# Altium PCB InsaneKeyboard.PcbDoc (part 2 of 4) (continued)
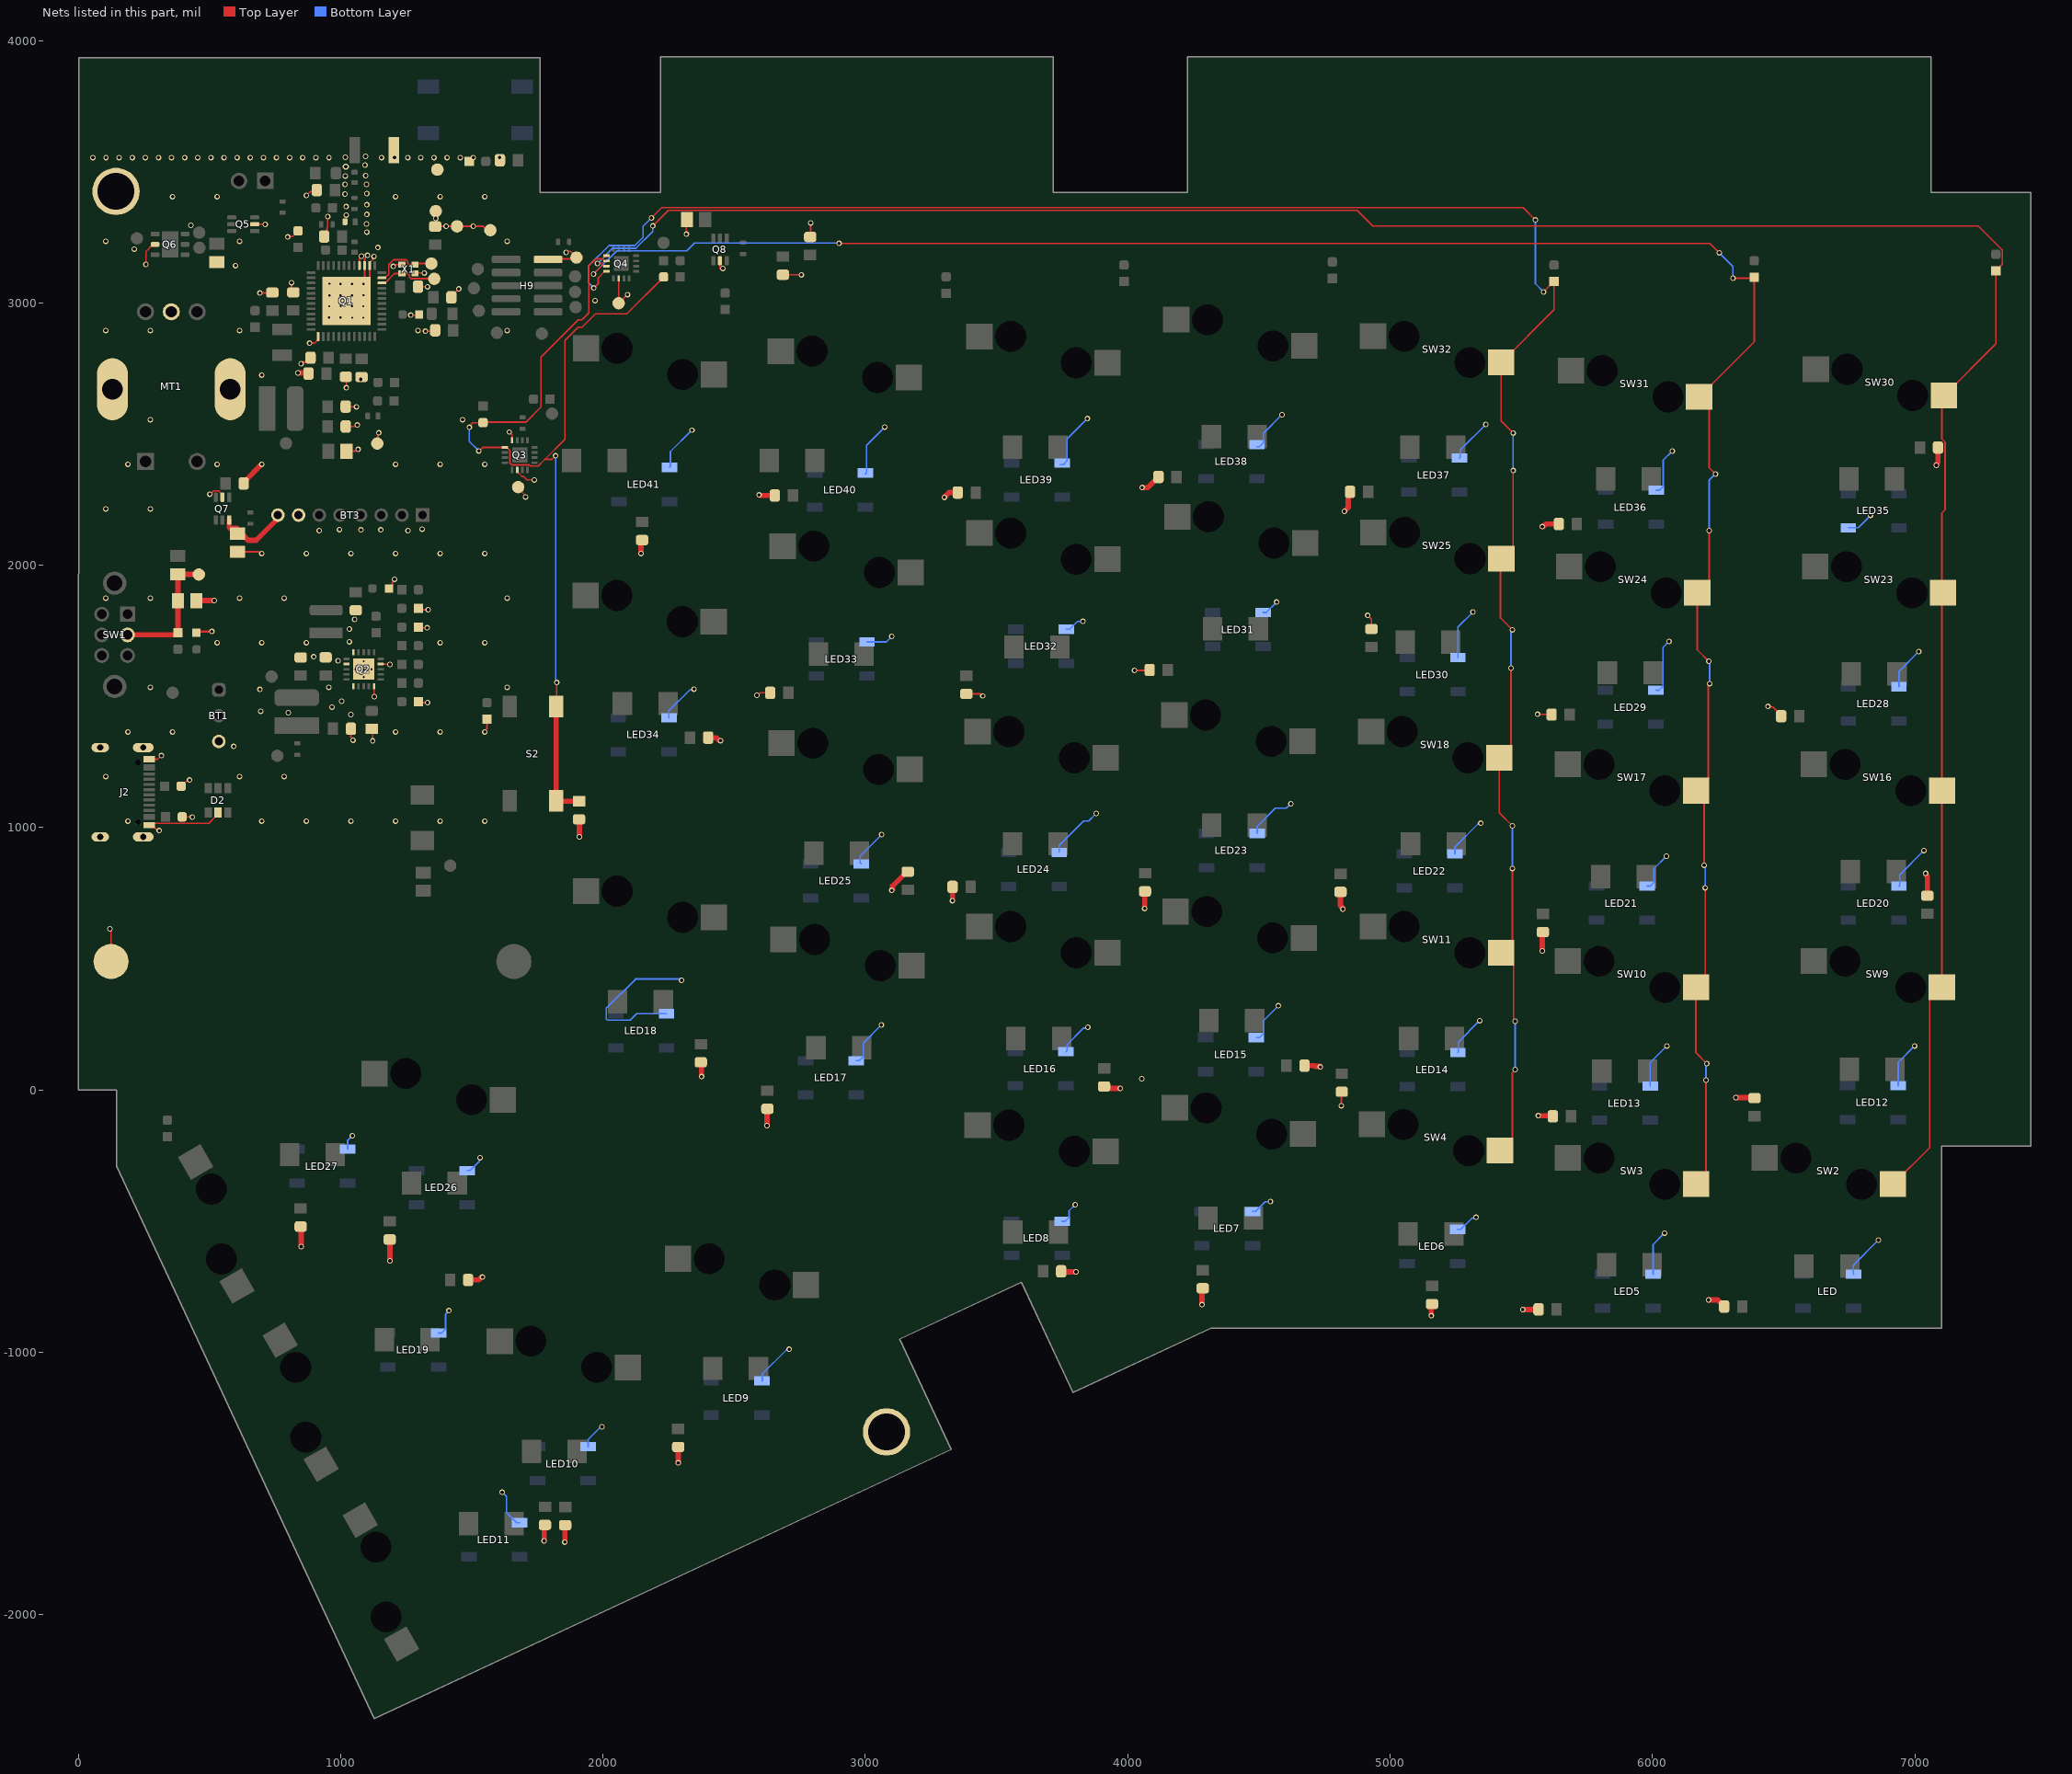
[diagram p4: the nets of this part, all layers, seen from the top]
## Part data (continued)
R12: "Fixed Resistor, Metal Glaze/thick Film, 0.1W, 1240000ohm, 75V, 1% +/-Tol, 100ppm/Cel, Surface Mount, 0603", Case/Package=0603, Manufacturer=Yageo, Manufacturer Part Number=RC0603FR-071M24L, Max Operating Temperature=155°C, Min Operating Temperature=-55°C, Package Height=0.45mm, Package Length=1.6mm, Package Shape=Rectangular, Package Style=SMTMeter, Package Width=0.8mm, Power=100mW, Rated Temperature=70°C, Resistor Type="FIXED RESISTOR", Supplier Part Number=13-RC0603FR-071M24LCT-ND, Temperature Coefficient=100ppm/°C, Tolerance=1%, Working Voltage=75V, Additional Feature="LASER TRIMMABLE", Category="Chip SMD Resistors", ComponentLink1Description=https://datasheet.ciiva.com:443/pdfs/VipMasterIC/IC/YAGO/YAGO-S-A0008145938/YAGO-S-A0008145938-1.pdf?src-supplier=IHS+Markit, ComponentLink1URL=https://datasheet.ciiva.com:443/pdfs/VipMasterIC/IC/YAGO/YAGO-S-A0008145938/YAGO-S-A0008145938-1.pdf?src-supplier=IHS+Markit, ComponentLink2Description=http://www.mouser.com/ds/2/447/RC0603-272842.pdf?src-supplier=Mouser, ComponentLink2URL=http://www.mouser.com/ds/2/447/RC0603-272842.pdf?src-supplier=Mouser, ComponentLink3Description=http://www.yageo.com/documents/recent/PYu-RC_Group_51_RoHS_L_2.pdf?src-supplier=Avnet, ComponentLink3URL=http://www.yageo.com/documents/recent/PYu-RC_Group_51_RoHS_L_2.pdf?src-supplier=Avnet, ComponentLink4Description=http://www.yageo.com.tw/exep/pages/download/literatures/PYu-R_INT-thick_7.pdf?src-supplier=Digikey, ComponentLink4URL=http://www.yageo.com.tw/exep/pages/download/literatures/PYu-R_INT-thick_7.pdf?src-supplier=Digikey, ComponentLink5Description=https://datasheet.octopart.com/RC0603FR-071M24L-Yageo-datasheet-164759695.pdf?src-supplier=Future+Electronics, ComponentLink5URL=https://datasheet.octopart.com/RC0603FR-071M24L-Yageo-datasheet-164759695.pdf?src-supplier=Future+Electronics, Construction=Chip, JESD-609 Code=e3, Mounting Technology="Surface Mount", Packaging="Tape and Reel", Pins=2, Pricing="1=0.1, 10=0.019, 50=0.0112, 100=0.0093, 500=0.00622, 1000=0.00532 (USD)", Reach SVHC Compliant=Yes, RoHS=Yes, RoHS Compliant=Yes, Stock=7097, Supplier=Digikey, Technology="METAL GLAZE/THICK FILM", Terminal Finish=Nickel, Termination=Wraparound
R14: "Fixed Resistor, Metal Glaze/thick Film, 0.1W, 6650000ohm, 75V, 1% +/-Tol, 100ppm/Cel, Surface Mount, 0603", Case/Package=0603, Manufacturer=Vishay, Manufacturer Part Number=CRCW06036M65FKEA, Max Operating Temperature=155°C, Min Operating Temperature=-55°C, Package Height=0.45mm, Package Length=1.55mm, Package Shape=Rectangular, Package Style=SMTMeter, Package Width=0.85mm, Power=100mW, Rated Temperature=70°C, Resistor Type="FIXED RESISTOR", Supplier Part Number=541-6.65MHCT-ND, Temperature Coefficient=100ppm/°C, Tolerance=1%, Working Voltage=75V, Category="Chip SMD Resistors", ComponentLink1Description=https://datasheet.ciiva.com:443/pdfs/VipMasterIC/IC/VISH/VISH-S-A0007266705/VISH-S-A0007266705-1.pdf?src-supplier=IHS+Markit, ComponentLink1URL=https://datasheet.ciiva.com:443/pdfs/VipMasterIC/IC/VISH/VISH-S-A0007266705/VISH-S-A0007266705-1.pdf?src-supplier=IHS+Markit, ComponentLink2Description=https://datasheet.ciiva.com/2494/dcrcwe3-2494684.pdf?src-supplier=Digikey, ComponentLink2URL=https://datasheet.ciiva.com/2494/dcrcwe3-2494684.pdf?src-supplier=Digikey, ComponentLink3Description=https://datasheet.ciiva.com/2494/dcrcwe3-2494685.pdf?src-supplier=Digikey, ComponentLink3URL=https://datasheet.ciiva.com/2494/dcrcwe3-2494685.pdf?src-supplier=Digikey, ComponentLink4Description=https://datasheet.ciiva.com/2494/dcrcwe3-2494686.pdf?src-supplier=Digikey, ComponentLink4URL=https://datasheet.ciiva.com/2494/dcrcwe3-2494686.pdf?src-supplier=Digikey, ComponentLink5Description=https://datasheet.ciiva.com/9061/dcrcwe3-9061657.pdf?src-supplier=Avnet, ComponentLink5URL=https://datasheet.ciiva.com/9061/dcrcwe3-9061657.pdf?src-supplier=Avnet, ComponentLink6Description=https://datasheet.ciiva.com/7748/1697337-7748695.pdf?src-supplier=Element14, ComponentLink6URL=https://datasheet.ciiva.com/7748/1697337-7748695.pdf?src-supplier=Element14, ComponentLink7Description=https://datasheet.ciiva.com/7748/1697337-7748696.pdf?src-supplier=Element14, ComponentLink7URL=https://datasheet.ciiva.com/7748/1697337-7748696.pdf?src-supplier=Element14, Construction=Chip, JESD-609 Code=e3, Mounting Technology="Surface Mount", Packaging="Tape and Reel", Pins=2, Pricing="1=0.1, 10=0.026, 50=0.0166, 100=0.014, 500=0.00954, 1000=0.00824 (USD)", Reach SVHC Compliant=Yes, Reference Standard=AEC-Q200, RoHS=Yes, RoHS Compliant=Yes, Stock=29933, Supplier=Digikey, Technology="METAL GLAZE/THICK FILM", Terminal Finish=Nickel, Termination=Wraparound
R15: "Fixed Resistor, Metal Glaze/thick Film, 0.1W, 5620000ohm, 75V, 1% +/-Tol, 100ppm/Cel, Surface Mount, 0603", Case/Package=0603, Manufacturer=Yageo, Manufacturer Part Number=RC0603JR-075M6L, Max Operating Temperature=155°C, Min Operating Temperature=-55°C, Package Height=0.45mm, Package Length=1.6mm, Package Shape=Rectangular, Package Style=SMTMeter, Package Width=0.8mm, Power=100mW, Rated Temperature=70°C, Resistor Type="FIXED RESISTOR", Supplier Part Number=311-5.6MGRCT-ND, Temperature Coefficient=100ppm/°C, Tolerance=5%, Working Voltage=75V, Additional Feature="LASER TRIMMABLE", Category="Chip SMD Resistors", ComponentLink1Description=https://datasheet.ciiva.com:443/pdfs/VipMasterIC/IC/YAGO/YAGO-S-A0008145938/YAGO-S-A0008145938-1.pdf?src-supplier=IHS+Markit, ComponentLink1URL=https://datasheet.ciiva.com:443/pdfs/VipMasterIC/IC/YAGO/YAGO-S-A0008145938/YAGO-S-A0008145938-1.pdf?src-supplier=IHS+Markit, ComponentLink2Description=https://datasheet.ciiva.com/2453/pyu-r-int-thick-7-2453118.pdf?src-supplier=Digikey, ComponentLink2URL=https://datasheet.ciiva.com/2453/pyu-r-int-thick-7-2453118.pdf?src-supplier=Digikey, ComponentLink3Description=https://datasheet.ciiva.com/2453/pyu-r-int-thick-7-2453119.pdf?src-supplier=Digikey, ComponentLink3URL=https://datasheet.ciiva.com/2453/pyu-r-int-thick-7-2453119.pdf?src-supplier=Digikey, ComponentLink4Description=https://datasheet.ciiva.com/2453/pyu-r-int-thick-7-2453120.pdf?src-supplier=Digikey, ComponentLink4URL=https://datasheet.ciiva.com/2453/pyu-r-int-thick-7-2453120.pdf?src-supplier=Digikey, ComponentLink5Description=http://www.mouser.com/ds/2/447/RC0603-272842.pdf?src-supplier=Mouser, ComponentLink5URL=http://www.mouser.com/ds/2/447/RC0603-272842.pdf?src-supplier=Mouser, ComponentLink6Description=http://www.yageo.com/documents/recent/PYu-RC_Group_51_RoHS_L_2.pdf?src-supplier=Avnet, ComponentLink6URL=http://www.yageo.com/documents/recent/PYu-RC_Group_51_RoHS_L_2.pdf?src-supplier=Avnet, ComponentLink7Description=http://www.yageo.com.tw/exep/pages/download/literatures/PYu-R_INT-thick_7.pdf?src-supplier=Digikey, ComponentLink7URL=http://www.yageo.com.tw/exep/pages/download/literatures/PYu-R_INT-thick_7.pdf?src-supplier=Digikey, Construction=Chip, JESD-609 Code=e3, Mounting Technology="Surface Mount", Packaging="Tape and Reel", Pins=2, Pricing="1=0.1, 10=0.015, 50=0.0092, 100=0.0076, 500=0.00512, 1000=0.00437 (USD)", Reach SVHC Compliant=Yes, RoHS=Yes, RoHS Compliant=Yes, Stock=110556, Supplier=Digikey, Technology="METAL GLAZE/THICK FILM", Terminal Finish=Nickel, Termination=Wraparound
R16 R19 R20 R21 R22 R23 R24 R25 R26 R30 R31 R32 R33 R34 R35 R36: "Fixed Resistor, Metal Glaze/thick Film, 0.1W, 10000ohm, 75V, 1% +/-Tol, 100ppm/Cel, Surface Mount, 0603", Case/Package=0603, Manufacturer=Yageo, Manufacturer Part Number=RC0603FR-0710KL, Max Operating Temperature=155°C, Min Operating Temperature=-55°C, Package Height=0.45mm, Package Length=1.6mm, Package Shape=Rectangular, Package Style=SMTMeter, Package Width=0.8mm, Power=100mW, Rated Temperature=70°C, Resistor Type="FIXED RESISTOR", Supplier Part Number=311-10.0KHRCT-ND, Temperature Coefficient=100ppm/°C, Tolerance=1%, Working Voltage=75V, Additional Feature="LASER TRIMMABLE", Category="Chip SMD Resistors", ComponentLink1Description=https://datasheet.ciiva.com:443/pdfs/VipMasterIC/IC/YAGO/YAGO-S-A0008145938/YAGO-S-A0008145938-1.pdf?src-supplier=IHS+Markit, ComponentLink1URL=https://datasheet.ciiva.com:443/pdfs/VipMasterIC/IC/YAGO/YAGO-S-A0008145938/YAGO-S-A0008145938-1.pdf?src-supplier=IHS+Markit, ComponentLink2Description=http://www.farnell.com/datasheets/2167052.pdf?src-supplier=Farnell, ComponentLink2URL=http://www.farnell.com/datasheets/2167052.pdf?src-supplier=Farnell, ComponentLink3Description=http://www.farnell.com/datasheets/1868787.pdf?src-supplier=Farnell, ComponentLink3URL=http://www.farnell.com/datasheets/1868787.pdf?src-supplier=Farnell, ComponentLink4Description=http://www.farnell.com/datasheets/443971.pdf?src-supplier=Farnell, ComponentLink4URL=http://www.farnell.com/datasheets/443971.pdf?src-supplier=Farnell, ComponentLink5Description=http://www.yageo.com/documents/recent/PYu-RC_Group_51_RoHS_L_10.pdf?src-supplier=Digikey, ComponentLink5URL=http://www.yageo.com/documents/recent/PYu-RC_Group_51_RoHS_L_10.pdf?src-supplier=Digikey, ComponentLink6Description=http://www.yageo.com/documents/recent/PYu-RC_Group_51_RoHS_L_9.pdf?src-supplier=Component+Sense, ComponentLink6URL=http://www.yageo.com/documents/recent/PYu-RC_Group_51_RoHS_L_9.pdf?src-supplier=Component+Sense, Construction=Chip, JESD-609 Code=e3, Mounting Technology="Surface Mount", Packaging="Tape and Reel", Pins=2, Pricing="1=0.1, 10=0.019, 50=0.0112, 100=0.0093, 500=0.00622, 1000=0.00532, 5000=0.00382, 10000=0.00335, 25000=0.00287, 35000=0.00278, 50000=0.00257, 125000=0.00232 (USD)", Reach SVHC Compliant=Yes, RoHS=Yes, RoHS Compliant=Yes, Stock=6878448, Supplier=Digikey, Technology="METAL GLAZE/THICK FILM", Terminal Finish=Nickel, Termination=Wraparound
R17: "Fixed Resistor, Metal Glaze/thick Film, 0.1W, 4990000ohm, 75V, 1% +/-Tol, 100ppm/Cel, Surface Mount, 0603", Case/Package=0603, Manufacturer=Yageo, Manufacturer Part Number=RC0603FR-074M99L, Max Operating Temperature=155°C, Min Operating Temperature=-55°C, Package Height=0.45mm, Package Length=1.6mm, Package Shape=Rectangular, Package Style=SMTMeter, Package Width=0.8mm, Power=100mW, Rated Temperature=70°C, Resistor Type="FIXED RESISTOR", Supplier Part Number=13-RC0603FR-074M99LDKR-ND, Temperature Coefficient=100ppm/°C, Tolerance=1%, Working Voltage=75V, Additional Feature="LASER TRIMMABLE", Category="Chip SMD Resistors", ComponentLink1Description=https://datasheet.ciiva.com:443/pdfs/VipMasterIC/IC/YAGO/YAGO-S-A0008145938/YAGO-S-A0008145938-1.pdf?src-supplier=IHS+Markit, ComponentLink1URL=https://datasheet.ciiva.com:443/pdfs/VipMasterIC/IC/YAGO/YAGO-S-A0008145938/YAGO-S-A0008145938-1.pdf?src-supplier=IHS+Markit, ComponentLink2Description=http://www.mouser.com/ds/2/447/RC0603-272842.pdf?src-supplier=Mouser, ComponentLink2URL=http://www.mouser.com/ds/2/447/RC0603-272842.pdf?src-supplier=Mouser, ComponentLink3Description=http://www.yageo.com/documents/recent/PYu-RC_Group_51_RoHS_L_9.pdf?src-supplier=Digikey, ComponentLink3URL=http://www.yageo.com/documents/recent/PYu-RC_Group_51_RoHS_L_9.pdf?src-supplier=Digikey, ComponentLink4Description=http://www.yageo.com/documents/recent/PYu-RC0603_51_RoHS_L_7.pdf?src-supplier=Future+Electronics, ComponentLink4URL=http://www.yageo.com/documents/recent/PYu-RC0603_51_RoHS_L_7.pdf?src-supplier=Future+Electronics, ComponentLink5Description=http://www.yageo.com/documents/recent/PYu-RC_Group_51_RoHS_L_2.pdf?src-supplier=Avnet, ComponentLink5URL=http://www.yageo.com/documents/recent/PYu-RC_Group_51_RoHS_L_2.pdf?src-supplier=Avnet, ComponentLink6Description=https://datasheet.octopart.com/RC0603FR-074M99L-Yageo-datasheet-164759695.pdf?src-supplier=Future+Electronics, ComponentLink6URL=https://datasheet.octopart.com/RC0603FR-074M99L-Yageo-datasheet-164759695.pdf?src-supplier=Future+Electronics, ComponentLink7Description=https://datasheet.octopart.com/RC0603FR-074M99L-Yageo-datasheet-148775077.pdf?src-supplier=TME, ComponentLink7URL=https://datasheet.octopart.com/RC0603FR-074M99L-Yageo-datasheet-148775077.pdf?src-supplier=TME, Construction=Chip, JESD-609 Code=e3, Mounting Technology="Surface Mount", Packaging="Tape and Reel", Pins=2, Pricing="1=0.1, 10=0.019, 50=0.0112, 100=0.0093, 500=0.00622, 1000=0.00532 (USD)", Reach SVHC Compliant=Yes, RoHS=Yes, RoHS Compliant=Yes, Stock=585, Supplier=Digikey, Technology="METAL GLAZE/THICK FILM", Terminal Finish=Nickel, Termination=Wraparound
S1 S2: "Keypad Switch, 1 Switches, SPST, Momentary-tactile, 0.05A, 50VDC, 2.55N, Solder Terminal, Surface Mount-straight", Contact Current(DC)-Max=50mA, Contact DC Max Rating R Load=.05A@50VDC, Contact Voltage(DC)-Max=50V, Manufacturer=E-Switch, Manufacturer Part Number=TL3301NF260QG, Operating Force-Max=3.04N, Supplier Part Number=EG1868CT-ND, Body Breadth=6inch, Body Height=3.6mm, Body Length or Diameter=6mm, Category="Tactile Switches", Circuit Configuration=1X1, ComponentLink1Description=https://datasheet.ciiva.com:443/pdfs/VipMasterIC/IC/ESCH/ESCH-S-A0005350531/ESCH-S-A0005350531-1.pdf?src-supplier=IHS+Markit, ComponentLink1URL=https://datasheet.ciiva.com:443/pdfs/VipMasterIC/IC/ESCH/ESCH-S-A0005350531/ESCH-S-A0005350531-1.pdf?src-supplier=IHS+Markit, ComponentLink2Description=https://datasheet.ciiva.com/2901/p010517e-2901296.pdf?src-supplier=Digikey, ComponentLink2URL=https://datasheet.ciiva.com/2901/p010517e-2901296.pdf?src-supplier=Digikey, ComponentLink3Description=https://datasheet.ciiva.com/2901/tl3301-2901294.pdf?src-supplier=Digikey, ComponentLink3URL=https://datasheet.ciiva.com/2901/tl3301-2901294.pdf?src-supplier=Digikey, ComponentLink4Description=https://datasheet.ciiva.com/2901/tl3301-2901295.pdf?src-supplier=Digikey, ComponentLink4URL=https://datasheet.ciiva.com/2901/tl3301-2901295.pdf?src-supplier=Digikey, ComponentLink5Description=https://datasheet.ciiva.com/7637/tl3301-7637661.pdf?src-supplier=Element14, ComponentLink5URL=https://datasheet.ciiva.com/7637/tl3301-7637661.pdf?src-supplier=Element14, JESD-609 Code=e4, Mounting Technology="Surface Mount", Number of Switches=1, Packaging="Tape and Reel", Pricing="1=0.42, 10=0.404, 25=0.3804, 100=0.3303, 250=0.29968, 500=0.27876 (USD)", Reach SVHC Compliant=Yes, RoHS=Yes, RoHS Compliant=Yes, Stock=45667, Supplier=Digikey, Switch Action=MOMENTARY-TACTILE, Switch Function=SPST, Switch Type=Keypad, Terminal Finish=Silver, Termination=Solder
SW1: "Slide Switch, DPDT, Latched, Solder Terminal, Through Hole-right Angle", Manufacturer=E-Switch, Manufacturer Part Number=EG2208, Max Operating Temperature=70°C, Min Operating Temperature=-20°C, Supplier Part Number=EG1941-ND, Body Breadth=6inch, Body Height=5mm, Body Length or Diameter=10mm, Category="Slide Switches", ComponentLink1Description=https://datasheet.ciiva.com:443/pdfs/VipMasterIC/IC/ESCH/ESCH-S-A0005350660/ESCH-S-A0005350660-1.pdf?src-supplier=IHS+Markit, ComponentLink1URL=https://datasheet.ciiva.com:443/pdfs/VipMasterIC/IC/ESCH/ESCH-S-A0005350660/ESCH-S-A0005350660-1.pdf?src-supplier=IHS+Markit, ComponentLink2Description=https://datasheet.ciiva.com/2889/p040110c-2889382.pdf?src-supplier=Digikey, ComponentLink2URL=https://datasheet.ciiva.com/2889/p040110c-2889382.pdf?src-supplier=Digikey, ComponentLink3Description=https://datasheet.ciiva.com/16174/seriesegslides-16174287.pdf?src-supplier=Onlinecomponents.com, ComponentLink3URL=https://datasheet.ciiva.com/16174/seriesegslides-16174287.pdf?src-supplier=Onlinecomponents.com, ComponentLink4Description=https://datasheet.ciiva.com/16216/eg-16216332.pdf?src-supplier=Future+Electronics, ComponentLink4URL=https://datasheet.ciiva.com/16216/eg-16216332.pdf?src-supplier=Future+Electronics, JESD-609 Code=e4, Mounting Technology="Through Hole", Pricing="1=0.66, 10=0.639, 25=0.5968, 100=0.5183, 250=0.47168, 800=0.43728, 1600=0.4325 (USD)", Reach SVHC Compliant=Yes, RoHS=Yes, RoHS Compliant=Yes, Stock=171516, Supplier=Digikey, Switch Action=LATCHED, Switch Function=DPDT, Switch Type="Slide Switch", Terminal Finish=Silver, Termination=Solder
SW2 SW3 SW4 SW5 SW6 SW7 SW8 SW9 SW10 SW11 SW12 SW13 SW14 SW15 SW16 SW17 SW18 SW19 SW20 SW21 SW22 SW23 SW24 SW25 SW26 SW27 SW28 SW29 SW30 SW31 SW32 SW33 SW34 SW35 SW36 SW37 SW38 SW39: "Gateron G Pro 2.0, The 3-Pin switches are compatible with any 3-Pin/5-Pin MX mechanical keyboard"
TP15: library part "Test point"
X1: "Crystal 38.4000MHZ 10PF SMD", Manufacturer=Murata, Manufacturer Part Number=XRCGB38M400F1S3JR0, Supplier Part Number=490-XRCGB38M400F1S3JR0TR-ND, Category=LDO, ComponentLink1Description=https://datasheet.octopart.com/TZ2205E-TST---Tamsan-datasheet-98782093.pdf?src-supplier=Component+Distributors+Inc., ComponentLink1URL=https://datasheet.octopart.com/TZ2205E-TST---Tamsan-datasheet-98782093.pdf?src-supplier=Component+Distributors+Inc., ComponentLink2Description=http://www.txccorp.com/download/products/quartz_crystals/2015TXC_8Y_15.pdf?src-supplier=Digikey, ComponentLink2URL=http://www.txccorp.com/download/products/quartz_crystals/2015TXC_8Y_15.pdf?src-supplier=Digikey, Pricing="1=1.13, 10=1.004, 50=0.938, 100=0.829, 500=0.78538, 1000=0.65448 (USD)", RoHS=No, Stock=604, Supplier=Digikey
X2: library part "XTAL 32.768kHz", "Parallel - Fundamental Quartz Crystal, 0.032768MHz Nom", Frequency Tolerance=20ppm, Load Capacitance=12.5pF, Manufacturer=Abracon, Manufacturer Part Number=ABS07-32.768KHZ-T, Max Operating Temperature=85°C, Min Operating Temperature=-40°C, Operating Frequency-Nom=0.032768, Supplier Part Number=815-ABS07-32.768KHZT, Additional Feature="TAPE AND REEL", Aging="3 PPM/FIRST YEAR", Category=Crystals, ComponentLink1Description=https://datasheet.ciiva.com:443/pdfs/VipMasterIC/IC/ABRC/ABRC-S-A0006623177/ABRC-S-A0006623177-1.pdf?src-supplier=IHS+Markit, ComponentLink1URL=https://datasheet.ciiva.com:443/pdfs/VipMasterIC/IC/ABRC/ABRC-S-A0006623177/ABRC-S-A0006623177-1.pdf?src-supplier=IHS+Markit, ComponentLink2Description=https://datasheet.ciiva.com/854/abs07-854935.pdf?src-supplier=Digikey, ComponentLink2URL=https://datasheet.ciiva.com/854/abs07-854935.pdf?src-supplier=Digikey, ComponentLink3Description=https://datasheet.ciiva.com/854/abs07-854936.pdf?src-supplier=Digikey, ComponentLink3URL=https://datasheet.ciiva.com/854/abs07-854936.pdf?src-supplier=Digikey, ComponentLink4Description=https://datasheet.ciiva.com/854/abs07-854937.pdf?src-supplier=Digikey, ComponentLink4URL=https://datasheet.ciiva.com/854/abs07-854937.pdf?src-supplier=Digikey, ComponentLink5Description=https://datasheet.ciiva.com/15214/getdatasheetpartid-727011-15214954.pdf?src-supplier=Verical, ComponentLink5URL=https://datasheet.ciiva.com/15214/getdatasheetpartid-727011-15214954.pdf?src-supplier=Verical, ComponentLink6Description=https://datasheet.ciiva.com/7998/1912628-7998667.pdf?src-supplier=Element14, ComponentLink6URL=https://datasheet.ciiva.com/7998/1912628-7998667.pdf?src-supplier=Element14, Crystal/Resonator Type="PARALLEL - FUNDAMENTAL", Drive Level=0.5uW, ESR=70kR, Mounting Technology="Surface Mount", Pricing="1=0.64, 10=0.502, 50=0.502, 100=0.463, 500=0.438, 1000=0.419, 3000=0.308, 6000=0.281, 9000=0.269, 10000=0.269, 24000=0.258 (USD)", Reach SVHC Compliant=Yes, RoHS=Yes, RoHS Compliant=Yes, Stock=349794, Supplier=Mouser

## Via types
v1: diameter 21, hole 13, Top Layer to Bottom Layer, tented both sides, 292 vias
v2: diameter 21, hole 13, Top Layer to Bottom Layer, 174 vias
v3: diameter 23, hole 13, Top Layer to Bottom Layer, tented both sides, 1 vias

## Nets (pads, with @x,y where several pads share a name; then routed paths per layer and width w, separated by ;. In a path a pad name is that pad's centre, name@x,y a point inside that pad or via, vN(x,y) a via of type N, cw(c..) or ccw(c..) an arc to the next point about the centre after c; other vN are vias at no path point)
+3.3V: C22.1 C24.1 R8.1 SW1.2 TP20.1 | length 499.1
  Top Layer w20: SW1.2@188.21,1735 188.36,1734.85 371.86,1734.85 380.71,1743.7 380.35,1744.05 380.35,1864.65 C22.1@380.71,1865 380.35,1865.35 C24.1@380.35,1965.35 ; TP20.1@460,1965 459.65,1965.35 C24.1@380.35,1965.35 ; C24.1@380.35,1965.35 C24.1@380,1965.71 C24.1@380.35,1965.35
DISPLAY_LOAD_SW: BT3.8 C70.1 Q7.6 | length 299.6
  Top Layer w20: Q7.6@575.59,2172.69 575.59,2144 579.11,2140.48 604.3,2140.48 C70.1@608,2136.78 ; C70.1@608,2120.65 C70.1@608,2136.78 ; BT3.8@761.41,2191.35 755.38,2185.32 755.38,2172.21 678.3,2095.13 647.7,2095.13 635.55,2107.27 635.55,2109.23 C70.1@608,2136.78
EXP_RESET: C27.1 Q3.1 Q4.1 R34.2 R35.2 S2.3 S2.4 | length 3856.2
  Top Layer w6: v2(1491,2526) 1491,2530.06 1502.51,2541.57 1502.51,2543.5 R35.2@1543,2543.5 1544.83,2545.34 1705.61,2545.34 1763.78,2603.5 1763.78,2793.31 1905.85,2935.38 1920.48,2935.38 1946.62,2961.52 1946.62,3066.48 1946.5,3066.61 1946.5,3142 1971.97,3167.47 1994.75,3167.47 2006.81,3179.53 Q4.1@2013.5,3179.53 ; v2(1527,2436) 1528.58,2436 1541.58,2449 1625.98,2449 Q3.1@1626.5,2449.53 1633.2,2449.53 1645.31,2437.41 1645.31,2390.7 1653.7,2382.31 1719.8,2382.31 1723.76,2378.35 1753.46,2378.35 1779.05,2403.95 ; v2(1820,2417) 1818.53,2417 1805.47,2403.95 1779.05,2403.95 ; S2.3@1821.58,1461.13 1824,1463.55 v2(1824,1553) ; R34.2@2231.5,3099 2090.88,2958.38 1971.77,2958.38 1920.85,2907.46 1906.21,2907.46 1855.29,2856.54 1855.29,2480.19 1779.05,2403.95
  Top Layer w20: S2.3@1821.58,1461.13 S2.4@1821.58,1102.87 1824,1100.45 C27.1@1909,1100.45
  Bottom Layer w6: v2(1491,2526) 1491,2472 v2(1527,2436) ; v2(1820,2417) 1820,1558 1824,1554 v2(1824,1553)
GND: ATT1.GND BT1.3 BT2.N BT3.7 C1.2 C2.2 C3.2 C4.2 C5.2 C6.2 C7.2 C8.2 C9.2 C10.2 C11.2 C12.2 C13.2 C14.2 C15.2 C16.2 C17.2 C18.1 C19.2 C20.2 C21.2 C22.2 C25.2 C26.2 C27.2 C28.2 C29.2 C30.2 C31.2 C32.2 C33.2 C34.2 C35.2 C36.2 C37.2 C38.2 C39.2 C40.2 C41.2 C42.2 C43.2 C44.2 C45.2 C46.2 C47.2 C48.2 C49.2 C50.2 C51.2 C52.2 C53.2 C54.2 C55.2 C56.2 C57.2 C58.2 C59.2 C60.2 C61.2 C62.2 C63.2 C64.2 C65.2 C66.2 C67.2 C68.2 C69.2 C70.2 D2.2 H1.1 H2.1 H9.2 J2.A1_B12 J2.B1_A12 J2.S1 J2.S2 J2.S3 J2.S4 LED1.C LED2.C LED4.C LED5.3-GND LED6.3-GND LED7.3-GND LED8.3-GND LED9.3-GND LED10.3-GND LED11.3-GND LED12.3-GND LED13.3-GND LED14.3-GND LED15.3-GND LED16.3-GND LED17.3-GND LED18.3-GND LED19.3-GND LED20.3-GND LED21.3-GND LED22.3-GND LED23.3-GND LED24.3-GND LED25.3-GND LED26.3-GND LED27.3-GND LED28.3-GND LED29.3-GND LED30.3-GND LED31.3-GND LED32.3-GND LED33.3-GND LED34.3-GND LED35.3-GND LED36.3-GND LED37.3-GND LED38.3-GND LED39.3-GND LED40.3-GND LED41.3-GND LED.3-GND MT1.COM MT1.S1 MT1.S2 Q1.14 Q1.15 Q1.16 Q1.37 Q1.49 Q2.1 Q2.5 Q2.9 Q2.15 Q2.17 Q2.21 Q3.6 Q3.16 Q4.6 Q5.2 Q6.2 Q7.2 Q8.2 R3.2 R6.1 R7.1 R9.2 R10.2 R15.1 R17.1 R38.1 TP1.1 TP22.1 TP25.1 TP28.1 TP29.1 TP30.1 TP31.1 TP32.1 X1.2 X1.4 | length 12739.3
  Top Layer w6: v1(121,614) 121,609.94 125.28,605.66 BT2.N@125.28,490 ; v1(258,3147) 258,3195.96 285.04,3223 Q6.2@292.91,3223 ; J2.A1_B12@271,1261.14 303.28,1261.14 v1@317,1274.86 ; v1(309.07,988.94) 306.19,991.81 299,991.81 290.44,1000.36 281.63,1009.17 288.9,1016.44 498.01,1016.44 522.21,1040.65 522.21,1046.61 D2.2@532.99,1057.39 ; R9.2@392.49,1158.16 394.52,1158.16 414.99,1178.63 420.63,1178.63 v1@424,1182 ; R10.2@396.49,1041.16 396.78,1040.87 434.87,1040.87 v1@435,1041 ; C22.2@450,1865 C22.2@450.5,1865.5 ; LED1.C@451,1742.5 LED1.C@456,1747.5 ; v1@507,2271 507,2275.08 515.94,2284.02 535.13,2284.02 550,2269.15 Q7.2@550,2259.31 ; v1@508.5,1747.5 v1@509,1748 ; v1@517.5,1865.5 v1@518,1866 ; C70.2@608,2051.35 689.59,2051.35 695.94,2045 v2(700,2045) ; C69.2@630.45,2312 C69.2@630.45,2315.69 ; Q5.2@672.31,3300 672.56,3299.75 711.75,3299.75 v1@712,3300 ; v1(692.91,3037.77) 738.32,3037.77 C10.2@740,3039.45 ; v2@699.76,2385 v2(700,2385) ; v1@798,3252 799.01,3253.01 816.51,3253.01 R3.2@838,3274.5 ; v1(813.5,3077.5) 813.5,3046.5 C11.2@820,3040 ; C56.2@848,-520.45 C56.2@850,-522.45 ; v1(870,3410) 883.77,3423.77 903.32,3423.77 C4.2@909.55,3430 ; v1@881.73,2847.14 901.59,2847.14 914.5,2860.05 Q1.37@914.5,2871.87 ; C5.2@937.31,3253 948,3263.68 948,3285.62 951,3288.62 v1(951,3329) ; Q1.49@955.76,2944.1 956.26,2944.6 956.26,2986.6 Q1.49@957.26,2987.6 ; Q1.49@957.76,3028.1 957.26,3027.6 Q1.49@957.26,2987.6 ; Q1.49@999.76,3028.1 1000.26,3027.6 1000.26,2988.6 Q1.49@1000.76,2988.1 Q1.49@1000.26,2987.6 ; C21.2@1019.45,2529 1053.91,2529 1059.91,2535 v1@1065,2535 ; C20.2@1019.45,2605 1020.35,2604.1 v1(1060.98,2604.1) ; C9.2@1020,2718.55 1022.5,2716.05 1022.5,2677.5 v1@1022,2677 ; C25.2@1022.65,2435 1055.94,2435 1062.94,2442 v1@1066,2442 ; C17.2@1039.35,1376.91 1039.35,1344.44 1047,1336.79 v1@1047,1334 ; Q1.49@1044.76,2943.1 Q1.49@1044.26,2943.6 ; Q1.16@1071.98,3142.34 1071.98,3168.27 1087.73,3184.02 1088.74,3184.02 ; v1(1076.5,2708.37) 1076.5,2714.05 C12.2@1080,2717.55 ; Q1.49@1087.76,3029.1 1087.26,3028.6 1087.26,2987.6 Q1.49@1086.76,2987.1 Q1.49@1043.76,2987.1 ; v1(1102.99,3181.12) 1102.99,3179.6 1091.66,3168.27 Q1.15@1091.66,3142.34 Q1.49@1091.66,3076 ; C18.1@1119.9,1372.46 1122.5,1369.86 1122.5,1331.5 v1@1122,1331 ; Q2.5@1127.37,1539.04 1127.37,1500.63 v1@1128,1500 ; v1@1127.58,3174.94 1127.58,3170.38 1111.35,3154.15 Q1.14@1111.35,3142.34 1111.35,3095.69 Q1.49@1091.66,3076 ; TP30.1@1140,2464 1142.75,2466.75 1142.75,2502.75 v1@1145,2505 ; Q2.9@1152.96,1623.68 1153.8,1622.84 1187.16,1622.84 v1(1188,1622) ; LED4.C@1184.5,1912 1197.24,1924.75 1197.24,1934.19 1206,1942.94 v1(1206,1947) ; C51.2@1187,-569.45 C51.2@1188,-570.45 ; v1(1201,3139) 1204.44,3139 1211.44,3146 X1.2@1233.9,3146 ; v1(1267.5,2953.5) 1297,2953.5 LED2.C@1299.5,2956 ; X1.4@1284.1,3112 1286.1,3114 v1(1319,3114) ; C2.2@1295.45,3062 1295.95,3061.5 1330.5,3061.5 v1@1331,3062 ; R15.1@1296.39,1479.91 1299.81,1476.5 1330.5,1476.5 v1@1331,1477 ; R17.1@1296.39,1764.58 1299.47,1761.5 1329.5,1761.5 v1@1330,1762 ; R7.1@1296.39,1835.74 1301.64,1830.5 1333.5,1830.5 v1@1334,1831 ; v1(1323.55,2891.94) 1356.49,2891.94 C6.2@1360.55,2896 ; C7.2@1361,3291.45 C7.2@1361.55,3292 ; TP1.1@1363,3350 1363,3293.45 C7.2@1361.55,3292 ; C3.2@1422.45,3021 1422.45,3025.06 1450,3052.62 v1@1450,3053.74 ; v2(1550,1365) 1550,1369.06 1558,1377.06 R38.1@1558,1413.01 ; TP25.1@1571,3277 1559.84,3277 1544.84,3292 TP31.1@1444,3292 v1(1402.78,3292) C7.2@1361.55,3292 ; v1(1643,2508) 1643,2507.78 1653.47,2497.31 Q3.16@1653.47,2476.5 ; Q3.6@1673.16,2363.5 1673.16,2356.81 1691.35,2338.62 1696.89,2338.62 1710.01,2325.5 1737.5,2325.5 v1@1738,2326 ; TP32.1@1677,2298 1677,2293.06 1705.03,2265.03 v1@1705.03,2260.97 ; C61.2@1776,-1660.45 C61.2@1779,-1657.45 ; H9.2@1791,3166 1793,3168 TP28.1@1899,3168 ; C68.2@1855,-1659.45 C68.2@1856,-1658.45 ; v1(1860,3192) 1864.06,3192 1868.34,3196.28 1876.15,3196.28 TP28.1@1897.43,3175 ; C27.2@1909,1031.55 C27.2@1910,1030.55 ; Q4.6@2060.16,3093.5 2060.08,3093.42 2060.08,3051.41 2060,3051.33 TP29.1@2060,2999 2060.5,2999 v1@2093,3031.5 ; C38.2@2145,2092.1 C38.2@2149,2096.1 ; v2(2318,3262) 2318,3314.65 C30.2@2320.35,3317 ; C54.2@2373,106 C54.2@2376,103 ; Q8.2@2446,3160.69 2446,3131.06 2456.56,3131.06 v1(2457,3131.5) ; v1(2587,1505) 2591.06,1505 2600.06,1514 C42.2@2637.55,1514 ; v1(2595,2268) v1@2597,2266 ; C53.2@2625,-73.45 C53.2@2627,-71.45 ; C29.2@2686,3107.55 2686.55,3107 v2(2756,3107) ; C26.2@2790,3251.45 2792,3253.45 v1(2792,3305) ; C43.2@3385,1510.1 3444.49,1510.1 3444.49,1509.57 3448,1506.06 v1(3448,1502) ; C67.2@3746.45,-691 C67.2@3748.45,-693 ; C52.2@3910,13.55 C52.2@3917.2,6.35 ; v1@3971.65,6.35 v1(3972,6) ; v1(4026,1599) 4081.55,1599 C44.2@4083.55,1601 ; C66.2@4283,-758.45 C66.2@4286,-755.45 ; v1(4814,-60) 4814,-8.45 C65.2@4816,-6.45 ; v1(4915,1809) 4929,1795 C45.2@4929,1757.45 ; C64.2@5157,-818.45 C64.2@5160,-815.45 ; v1(5562,1432) 5614.55,1432 C46.2@5615.55,1431 ; C63.2@5564.55,-837 C63.2@5565.55,-836 ; C62.2@5618.55,-98 C62.2@5620.55,-100 ; C60.2@6387.45,-29 C60.2@6389,-30.55 ; v1(6440,1462) 6442.01,1459.99 6459.5,1459.99 6490.55,1428.94 C31.2@6490.55,1425 ; Q1.49@957.26,2987.6 Q1.49@1000.26,2987.6 ; Q1.49@1000.26,2987.6 1000.26,2944.6 Q1.49@999.76,2944.1 1000.26,2943.6 Q1.49@1044.26,2943.6 ; Q1.49@1043.76,2987.1 Q1.49@1043.76,3028.1 Q1.49@1087.76,3072.1 Q1.49@1091.66,3076 ; Q1.49@1043.76,2987.1 1044.26,2986.6 Q1.49@1044.26,2943.6
  Top Layer w10: LED1.C@456,1747.5 v1@508.5,1747.5 ; v1@849.95,2769.95 855.01,2769.95 859.66,2774.6 869.39,2774.6 885.55,2790.77 C13.2@885.55,2791
  Top Layer w20: C22.2@450.5,1865.5 v1@517.5,1865.5 ; C69.2@630.45,2315.69 v2@699.76,2385 ; v1(838,2733) C8.2@876.55,2733 ; v1(850,-597) C56.2@850,-522.45 ; v1(1188,-651) C51.2@1188,-570.45 ; C55.2@1486.45,-724 1525.94,-724 1536.94,-713 v1(1541,-713) ; v1(1776,-1718) C61.2@1776,-1660.45 ; v1(1855,-1723) C68.2@1855,-1659.45 ; v1(1910,965) C27.2@1910,1030.55 ; v1(2145,2045) C38.2@2145,2092.1 ; v1(2287,-1421) C57.2@2287,-1360.45 ; v1(2376,51) C54.2@2376,103 ; C41.2@2401,1343 2432.94,1343 2443.94,1332 v1(2448,1332) ; v1@2597,2266 C37.2@2655.55,2266 ; v1(2625,-136) C53.2@2625,-73.45 ; v1(3101,761) 3103.87,763.87 3103.87,777.7 3158.06,831.9 C40.2@3162,831.9 ; v1(3301,2259) 3319.48,2277.48 C36.2@3352.38,2277.48 ; v1(3332,722) 3332,773.45 C39.2@3332.55,774 ; C67.2@3748.45,-693 v1(3803,-693) ; C52.2@3917.2,6.35 v1@3971.65,6.35 ; v1(4055,2296) 4076.53,2296 4100.92,2320.39 4101.15,2320.39 4117.31,2336.55 C35.2@4117.31,2336.78 ; v1(4065,692) 4065,756.1 C50.2@4066,757.1 ; v1(4283,-818) C66.2@4283,-758.45 ; C58.2@4674,93 4712,93 4715,90 4732.5,90 v1(4734.5,88) ; C49.2@4811,755.1 4811,703.06 4820,694.06 v1(4820,690) ; v1(4826,2206) 4840.71,2220.71 4840.71,2273.16 C34.2@4847.55,2280 ; v1(5157,-860) C64.2@5157,-818.45 ; v1(5506,-837) C63.2@5564.55,-837 ; v1(5565,-98) C62.2@5618.55,-98 ; v1(5580,530) 5580,599.82 C48.2@5582.51,602.33 ; v1(5580,2147) 5584.06,2147 5594.56,2157.5 C33.2@5642.87,2157.5 ; v1(6214,-800) 6248.55,-800 6257.15,-808.6 6257.39,-808.6 6273.55,-824.77 C59.2@6273.55,-825 ; v1(6318,-29) C60.2@6387.45,-29 ; v1(7041,826) 7041,821.94 7048,814.94 C47.2@7048,740.9 ; v1(7082,2381) 7082,2385.06 7088.45,2391.51 C32.2@7088.45,2449
  Bottom Layer w6: LED27.3-GND@1026.66,-225.28 1026.66,-192.34 v1(1045,-174) ; LED19.3-GND@1373.46,-926.04 1385.27,-926.04 1399.98,-911.32 1399.98,-855.56 1413,-842.55 v1(1413,-841) ; LED26.3-GND@1482.46,-307.04 1494.27,-307.04 1529.13,-272.18 1529.13,-260.87 v1(1532,-258) ; v1(1616,-1533) 1632.43,-1549.43 1632.43,-1610.82 1670.65,-1649.04 LED11.3-GND@1682.46,-1649.04 ; LED10.3-GND@1943.46,-1359.04 1943.46,-1332.32 1988.91,-1286.87 1993.13,-1286.87 v1(1996,-1284) ; LED18.3-GND@2242.46,290.96 2128.88,290.96 2104.16,266.24 2017.12,266.24 2013.02,270.34 2013.02,311.58 2124.44,423 v1@2305,423 ; LED34.3-GND@2251.46,1418.96 2251.46,1445.68 2330.87,1525.09 2344.17,1525.09 v1(2347.04,1527.96) ; LED41.3-GND@2253.46,2372.96 2257.46,2376.96 2257.46,2433.46 v1(2339,2515) ; LED9.3-GND@2605.46,-1109.04 2607.46,-1107.04 2607.46,-1082.32 2698.91,-990.87 2707.13,-990.87 v1(2710,-988) ; LED17.3-GND@2965.46,111.96 2977.27,111.96 2991.98,126.68 2991.98,178.98 v1(3061,248) ; LED25.3-GND@2984.46,861.96 2980.46,865.96 2980.46,891.46 v1(3062.48,973.48) ; LED40.3-GND@3000.46,2347.96 3004.46,2351.96 3004.46,2457.15 v1(3074.31,2527) ; LED33.3-GND@3006.46,1707.96 3079.96,1707.96 v1(3101,1729) ; LED24.3-GND@3739,905.92 3739,932.64 3831.59,1025.23 3851.23,1025.23 v1(3880,1054) ; LED39.3-GND@3742.46,2383.96 3754.27,2383.96 3768.98,2398.68 3768.98,2481.98 v1(3846,2559) ; LED8.3-GND@3750.46,-500.04 3762.27,-500.04 3776.98,-485.32 3776.98,-460.02 v1(3800,-437) ; LED16.3-GND@3764.46,145.96 3768.46,149.96 3768.46,172.68 3831.91,236.13 3845.13,236.13 v1(3848,239) ; LED32.3-GND@3766.46,1755.96 3778.27,1755.96 3808.31,1786 v1(3829,1786) ; LED7.3-GND@4475.46,-463.04 4487.27,-463.04 4524.5,-425.81 4543.19,-425.81 v1(4544,-425) ; LED15.3-GND@4490.46,199.96 4502.27,199.96 4516.98,214.68 4516.98,263.98 v1(4574,321) ; LED38.3-GND@4490.46,2451.96 4502.27,2451.96 4516.98,2466.68 4516.98,2502.98 v1(4588,2574) ; LED23.3-GND@4493.46,977.96 4493.46,1004.68 4562.74,1073.96 4604.96,1073.96 v1(4622,1091) ; LED31.3-GND@4516.46,1819.96 4528.27,1819.96 v1(4568,1859.69) ; LED22.3-GND@5247.46,899.96 5247.46,926.68 5334.91,1014.13 5343.13,1014.13 v1(5346,1017) ; LED6.3-GND@5257.46,-531.04 5269.27,-531.04 5312.44,-487.87 5325.13,-487.87 v1(5328,-485) ; LED14.3-GND@5258.46,142.96 5259.94,144.44 5259.94,182.9 v1(5341.52,264.48) ; LED30.3-GND@5258.46,1647.96 5258.46,1764.3 v1(5316,1821.85) ; LED37.3-GND@5264.46,2408.96 5267.46,2411.96 5267.46,2439.46 v1(5365,2537) ; LED21.3-GND@5979.46,776.96 5991.27,776.96 6005.98,791.68 6005.98,843.94 v1(6053.02,890.98) ; LED13.3-GND@5991.46,14.96 5991.46,104.46 v1(6055,168) ; LED5.3-GND@6002.46,-702.04 6002.46,-588.54 v1(6046,-545) ; LED29.3-GND@6013.46,1523.96 6025.27,1523.96 6039.98,1538.68 6039.98,1686.98 v1(6063,1710) ; LED36.3-GND@6014.46,2285.96 6026.27,2285.96 6040.98,2300.68 6040.98,2400.68 v1(6075.31,2435) ; LED35.3-GND@6746.54,2143.04 6785.07,2143.04 6831,2188.97 v1@6831,2194.39 ; LED.3-GND@6766.46,-702.04 6765.46,-701.04 6765.46,-667.54 v1(6861,-572) ; LED12.3-GND@6936.46,16.96 6936.46,105.46 v1(6999,168) ; LED20.3-GND@6939.46,776.96 6942.46,779.96 6942.46,820.46 v1(7035,913) ; LED28.3-GND@6939.46,1536.96 6940.46,1537.96 6940.46,1596.46 v1(7015,1671)
  other v1: 4054,43 2299.98,417.98 435.42,1040.58 424.5,1181.5 317.5,1274.5 593.08,1309.31 1122.5,1330.5 1047.5,1333.5 1039,1431 801,1438 695.89,1443.94 967.25,1459.6 1331.5,1476.5 1004,1482 1128.42,1499.58 693,1527 991,1636 898,1651 1033.53,1708.52 509.5,1747.5 1033.53,1757.06 1330.5,1761.5 1054,1794 1334.5,1830.5 518.5,1865.5 919,2132 1257,2132 1078,2135 1154,2135 996,2136 1311,2138 6831,2190.7 1705.53,2260.47 502,2271 1738.5,2325.5 1066.5,2441.5 1145.5,2504.5 1063.47,2534.5 1022.5,2676.5 849.47,2768.47 882.09,2846.5 1970,3009 2093.5,3031.5 1450.5,3053.24 1331.5,3061.5 1127.58,3176.97 1079.85,3178.18 214,3205 1142,3211 798.5,3251.5 1100,3270 1506,3292 429,3296 712.5,3299.5 1099,3301 1363,3321.72 1022,3335 1100,3337 1021,3367 1100,3374 1017,3415 1100,3417 1017,3452 1099,3452 1018,3484 1096,3485 1093,3525 56,3554 106,3554 156,3554 206,3554 256,3554 306,3554 356,3554 406,3554 456,3554 506,3554 556,3554 606,3554 656,3554 706,3554 756,3554 806,3554 856,3554 906,3554 956,3554 1156,3554 1206,3554 1256,3554 1306,3554 1356,3554 1406,3554 1456,3554 1506,3554 1606,3554 1018,3555 1095,3559
  other v2: 190,1025 700,1025 870,1025 1040,1025 1210,1025 1380,1025 1550,1025 105,1195 615,1195 785,1195 190,1365 360,1365 1210,1365 1380,1365 275,1535 955,1535 1635,1535 530,1705 700,1705 870,1705 1380,1705 1550,1705 105,1875 275,1875 615,1875 785,1875 1635,1875 870,2045 1040,2045 1210,2045 1380,2045 1550,2045 105,2215 275,2215 190,2385 530,2385 1210,2385 1380,2385 1550,2385 275,2555 1465,2555 700,2725 105,2895 275,2895 615,2895 1295,2895 1635,2895 600,3142 105,3235 615,3235 1635,3235 360,3405 530,3405 1210,3405 1380,3405 1550,3405
  other v3: 1020,3519
HFXTAL_N: Q1.10 TP2.1 X1.3 | length 226.4
  Top Layer w6: Q1.10@1158,3076 1169.81,3076 1205.81,3112 1256.4,3112 1262.49,3105.91 1262.49,3098.71 1268.58,3092.62 1356.38,3092.62 TP2.1@1357,3092
HFXTAL_P: Q1.11 TP3.1 X1.1 | length 239.8
  Top Layer w6: Q1.11@1169.81,3095.69 1171.93,3097.8 1183.5,3109.37 1183.5,3146.25 1201.75,3164.5 1250.3,3164.5 1255.95,3158.85 1255.95,3151.65 1261.6,3146 X1.1@1284.1,3146 1288.1,3150 TP3.1@1346,3150
IO_COL_P0: Q4.2 R16.1 SW2.2 SW9.2 SW16.2 SW23.2 SW30.2 | length 9299.4
  Top Layer w6: v1(1979.22,3149.97) 1979.41,3150.16 1997.13,3150.16 2006.81,3159.84 Q4.2@2013.5,3159.84 ; v1(2190,3293.31) 2249.63,3352.94 4875.26,3352.94 4934.88,3293.31 7241.33,3293.31 7333.72,3200.92 7333.72,3147.22 R16.1@7309,3122.5 7309,2844.08 SW30.2@7111.92,2647 ; SW2.2@6915.86,-358.96 6916.85,-358.96 7056.17,-219.64 7056.17,344.83 7102.38,391.04 SW9.2@7103.36,391.04 SW16.2@7103.36,1141.05 7103.36,1890.43 SW23.2@7107.94,1895 7103.36,1899.57 7103.36,2199.6 7115.13,2211.37 7115.13,2469.76 7103.36,2481.53 7103.36,2639.43 SW30.2@7110.94,2647
  Bottom Layer w6: v1(1979.22,3149.97) 2037.75,3208.5 2126.08,3208.5 2190,3272.42 v1(2190,3293.31)
IO_COL_P1: Q4.3 R19.1 SW3.2 SW10.2 SW17.2 SW24.2 SW31.2 | length 8321.9
  Top Layer w6: v1(1964,3110) 1994.16,3140.16 Q4.3@2013.5,3140.16 ; v1(2899.73,3226.62) 2900.11,3227 6218.52,3227 v1(6254.52,3191) ; SW3.2@6165.86,-358.96 6204,-320.82 v1(6204,38) ; v1(6197,857) 6197,1109.91 SW17.2@6165.86,1141.05 6166.84,1141.05 6213.05,1187.26 6213.05,1540 6218,1544.94 v1(6218,1549) ; v1(6201,771) 6201,426.18 SW10.2@6165.86,391.04 6165.86,142.14 v1(6207,101) ; v1(6215,1634) 6170.94,1678.06 SW24.2@6170.94,1895 6216,1940.06 v1(6216,2132) ; v1(6240.06,2347.94) 6216,2372 6216,2603.94 SW31.2@6177.94,2642 6178.92,2642 6388,2851.08 R19.1@6388,3097.5 6384.5,3094 v1(6307,3094)
  Bottom Layer w6: v1(1964,3110) 2052.5,3198.5 2319,3198.5 2349,3228.5 2897.85,3228.5 v1(2899.73,3226.62) ; v1(6197,857) 6199.87,854.13 6199.87,847.12 6201,845.99 v1(6201,771) ; v1(6204,38) 6204,93.94 6207,96.94 v1(6207,101) ; v1(6215,1634) 6217.87,1631.13 6217.87,1623.12 6218,1622.99 v1(6218,1549) ; v1(6216,2132) 6216,2323.88 v1(6240.06,2347.94) ; v1(6254.52,3191) 6307,3138.52 v1(6307,3094)
IO_COL_P2: Q4.4 R20.1 SW4.2 SW11.2 SW18.2 SW25.2 SW32.2 | length 7828.1
  Top Layer w6: v1(1965,3057) 1982.5,3074.5 1982.5,3096.16 2006.81,3120.47 Q4.4@2013.5,3120.47 ; v1(2185,3324) 2223.94,3362.94 5507.06,3362.94 v1(5554,3316) ; SW4.2@5418.94,-231 5419.92,-231 5466.13,-184.79 5466.13,66.99 5477,77.85 v1(5477,78) ; v1(5461,1608) 5461,1311.2 SW18.2@5415.85,1266.05 5415.85,1057.15 v1(5466,1007) ; v1(5466,844.5) 5466,565.95 SW11.2@5422.93,522.88 5423.91,522.88 5470.12,476.66 5470.12,272.93 5477,266.06 v1(5477,262) ; v1(5466,1754) 5420.94,1799.06 5420.94,2022 5469,2070.06 v1(5469,2361) ; v1(5469,2504) 5422.93,2550.07 SW32.2@5422.93,2772.89 5423.91,2772.89 5625,2973.98 R20.1@5625,3081.5 5585.5,3042 v1(5585,3042)
  Bottom Layer w6: v1(1965,3057) 1946.5,3075.5 1946.5,3142 2023,3218.5 2121.94,3218.5 2153.47,3250.03 2153.47,3292.47 v1(2185,3324) ; v1(5461,1608) 5461,1744.94 5466,1749.94 v1(5466,1754) ; v1(5466,844.5) v1(5466,1007) ; v1(5469,2361) v1(5469,2504) ; v1(5477,78) v1(5477,262) ; v1(5554,3316) 5554,3073 v1(5585,3042)